# Altium PCB SEEED ORDER 100mm x 150mm.PcbDoc (part 2 of 3)
Units mil, origin at the board's own origin, x right, y up, seen from the top; angles counter-clockwise.
Board outline 5905.51 x 3937.01 mil, 2 copper layers (Top Layer, Bottom Layer); 155 components, 122 nets, 624 pads, 161 vias.
Unrouted connection lines stored in the file: 6.
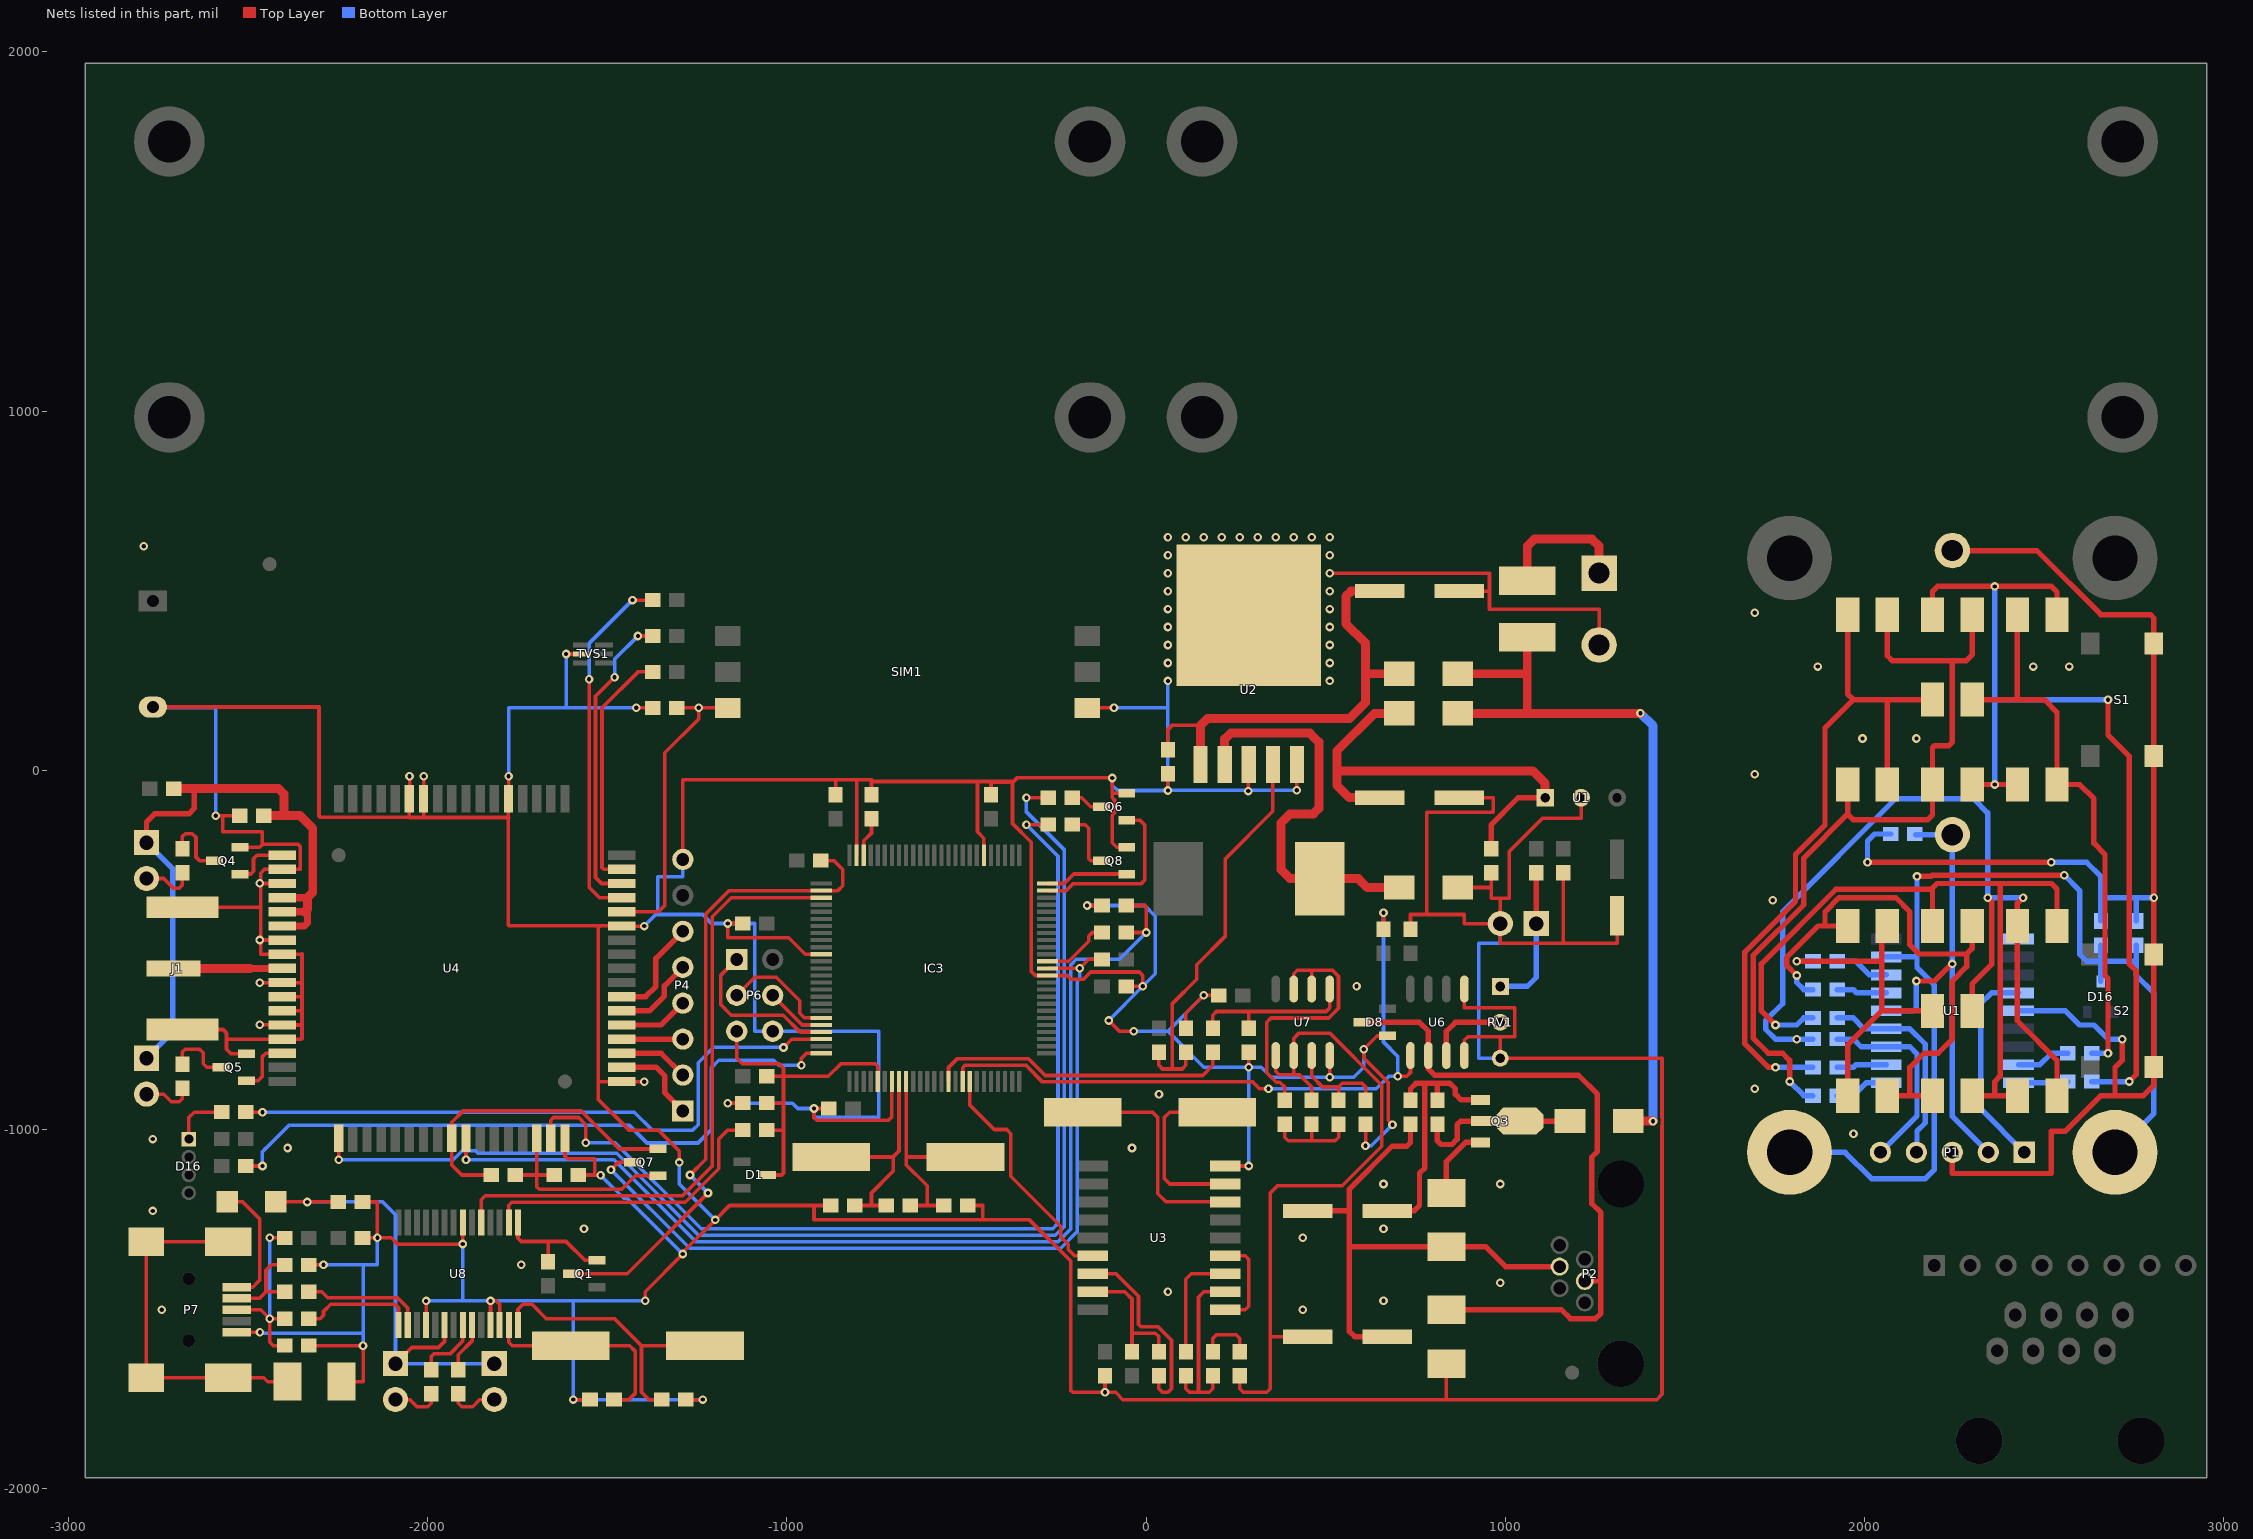
[diagram p2: the nets of this part, all layers, seen from the top]

## Via types
v1: diameter 24, hole 12, Top Layer to Bottom Layer, 161 vias

## Nets (pads, with @x,y where several pads share a name; then routed paths per layer and width w, separated by ;. In a path a pad name is that pad's centre, name@x,y a point inside that pad or via, vN(x,y) a via of type N, cw(c..) or ccw(c..) an arc to the next point about the centre after c; other vN are vias at no path point) (continued)
GND: BT1.2 C1.1@2072.84,-177.17 C1.2@961.02,-284.65 C2.2 C3.2 C5.2 C6.2 C8.2 C10.2 C11.2 C17.2 C21.2 C23.2 C24.2 C25.2 C26.2 C27.1 C29.2 C30.2 C31.2 C32.2 C33.2 C34.2 C35.2 C36.2 C37.2 C38.2 C39.2 C40.2 D4.1@867.02,-326.18 D8.1@671.46,-738.58 D15.2 D19.1 D20.1 IC3.11 IC3.32 IC3.62 IC3.81 IC3.99 J1.2 L3.2 P1.2@1261.02,348.82 P1.3 P4.8 P6.6 P7.5 Q4.2 Q5.2 Q6.2 Q8.2 R11.1 R17.1 R25.1 R38.2 R41.1 RV1.3 S1.1 S2.1 SIM1.C5 TVS1.2 U1.2@1211.02,-76.18 U1.5 U2.3 U2.5 U2.6 U3.9 U4.17 U4.18 U4.29 U4.39 U4.45 U4.46 U4.53 U4.54 U4.58 U4.59 U4.61 U4.62 U4.63 U4.64 U4.65 U6.4 U6.5 U7.4 U8.7 U8.18 U8.25 U8.26 | length 34697
  Top Layer w10: C11.2@-2763.98,176.18 -2301.61,176.18 -2301.61,-127.48 -2298.88,-130.22 -2049.94,-130.22 ; J1.2@-2681.83,-721.18 -2568.98,-721.18 -2558.98,-731.18 -2558.98,-776.18 -2546.38,-788.78 Q5.2@-2503.54,-788.78 ; J1.2@-2681.83,-381.18 -2468.98,-381.18 ; v1(-2588.98,-126.18) -2568.98,-126.18 ; -2557.13,-748.03 U4.65@-2404.27,-748.03 -2350.83,-748.03 -2348.98,-746.18 -2348.98,-626.18 ; P7.5@-2530.12,-1564.17 v1(-2465.98,-1564.17) ; C17.2@-2522.44,-126.18 -2568.98,-126.18 ; Q4.2@-2521.4,-213.78 -2466.57,-213.78 -2458.98,-206.18 ; v1(-2466.83,-708.3) U4.64@-2404.64,-708.3 ; v1(-2466.83,-472.08) v1@-2463.98,-472.08 ; v1(-2466.83,-314.6) v1@-2463.98,-314.6 ; v1(-2466.2,-590.82) -2404.27,-590.82 U4.61@-2404.01,-590.82 ; U4.58@-2404.64,-472.08 v1@-2463.08,-472.08 ; U4.54@-2404.64,-314.6 v1@-2463.98,-314.6 ; U4.64@-2404.27,-708.66 -2351.46,-708.66 ; U4.63@-2404.27,-669.29 -2350.87,-669.29 ; U4.62@-2404.27,-629.92 -2352.72,-629.92 -2348.98,-626.18 ; U4.61@-2404.27,-590.55 U4.61@-2404.01,-590.82 ; U4.58@-2404.27,-472.44 -2462.72,-472.44 v1@-2463.08,-472.08 ; U4.54@-2404.27,-314.96 -2462.76,-314.96 v1@-2463.98,-316.18 ; D20.1@-2330.51,-1601.18 v1(-2178.98,-1601.18) -2178.98,-1701.18 L3.2@-2238.97,-1701.17 ; D19.1@-2330.51,-1376.18 v1(-2288.98,-1376.18) ; C36.2@-2180.51,-1301.18 v1(-2138.98,-1301.18) ; C35.2@-2180.51,-1201.18 -2138.98,-1201.18 v1(-2138.98,-1301.18) ; U4.46@-2049.94,-78.74 -2049.94,-130.22 ; U4.46@-2049.58,-78.38 v1(-2049.58,-16.18) ; U4.45@-2010.57,-78.74 -2010.57,-129.59 -2008.98,-131.18 ; U4.45@-2010.21,-78.38 v1(-2010.21,-16.18) ; U8.18@-2003.54,-1543.9 v1(-2003.54,-1476.62) ; U8.7@-1901.18,-1258.46 -1901.18,-1317.8 v1(-1901.77,-1318.39) -2083.27,-1318.39 -2100.47,-1301.18 v1(-2138.98,-1301.18) ; U8.25@-1824.41,-1543.9 v1(-1824.41,-1476.62) -1808.54,-1476.62 -1798.82,-1486.34 U8.26@-1798.82,-1543.9 ; U4.39@-1774.34,-78.74 -1774.34,-130.82 ; U4.39@-1773.98,-78.38 v1(-1773.98,-16.18) ; U4.17@-1616.86,-1023.63 -1616.86,-1073.3 -1608.98,-1081.18 -1533.98,-1081.18 -1533.98,-1126.18 C25.2@-1580.51,-1126.18 ; v1(-1613.98,323.82) TVS1.2@-1569.49,323.82 ; v1(-1593.98,-1751.18) C40.2@-1547.44,-1751.18 ; C25.2@-1580.15,-1126.55 v1(-1517.95,-1126.55) ; U4.18@-1459.38,-866.14 -1523.94,-866.14 -1523.98,-866.18 ; U4.29@-1459.38,-433.07 -1518.98,-433.07 ; U4.18@-1459.02,-866.51 v1(-1396.82,-866.51) ; U4.29@-1459.02,-433.44 v1(-1396.82,-433.44) ; v1(-1418.98,173.82) C6.2@-1372.44,173.82 ; v1(-1393.98,-1476.18) -1393.98,-1450.83 v1(-1289.33,-1346.18) -1289.33,-1341.54 v1(-1198.98,-1251.18) -1158.98,-1211.18 -923.98,-1211.18 ; v1(-1298.98,-1091.18) -1298.98,-1059.53 -1357.32,-1001.18 -1438.98,-1001.18 -1523.98,-916.18 -1523.98,-866.18 ; P4.8@-1288.98,-248.03 -1288.98,-26.18 -863.98,-26.18 ; C39.2@-1280.51,-1751.18 v1(-1233.98,-1751.18) ; v1(-1163.98,-926.18) C27.1@-1122.44,-926.18 ; C32.2@-1122.44,-426.18 v1(-1163.98,-426.18) -1163.98,-466.18 -993.98,-466.18 -948.35,-511.81 IC3.11@-903.94,-511.81 ; C31.2@-882.44,-941.18 v1(-923.98,-941.18) -923.98,-966.18 -916.29,-973.87 -716.66,-973.87 -707.09,-964.29 IC3.32@-707.09,-866.14 ; C38.2@-877.44,-1211.18 -923.98,-1211.18 ; C30.2@-863.98,-56.18 -863.98,-26.18 ; IC3.99@-805.51,-236.22 -805.51,-26.18 ; C29.2@-763.98,-67.72 -763.98,-26.18 ; C37.2@-495.51,-1211.18 -453.98,-1211.18 -453.98,-1251.18 ; IC3.81@-451.18,-236.22 -451.18,-188.98 -468.98,-171.18 -468.98,-31.18 ; C34.2@-431.5,-67.72 -431.5,-33.66 -371.46,-33.66 ; v1(-163.98,-376.18) R38.2@-122.44,-376.18 ; SIM1.C5@-163.98,173.82 v1(-88.98,173.82) ; C8.2@-113.98,-1684.65 v1(-113.98,-1731.18) ; v1(-103.98,-696.18) -73.98,-726.18 v1(-33.98,-726.18) ; C33.2@-55.51,-601.18 v1(-8.98,-601.18) -8.98,-571.18 -18.98,-561.18 -153.98,-561.18 -173.98,-581.18 -208.52,-581.18 -218.84,-570.86 IC3.62@-274.01,-570.86 -308.14,-570.86 -318.98,-560.03 -318.98,-200.37 -371.46,-147.89 -371.46,-33.66 ; Q8.2@-53.54,-213.78 -81.38,-213.78 -93.98,-201.18 -93.98,-124.57 -87.79,-118.38 -87.79,-82.37 -93.98,-76.18 -93.98,-66.18 ; Q6.2@-53.54,-63.78 -91.57,-63.78 -93.98,-66.18 ; v1(61.02,-56.18) C10.2@61.02,-9.65 ; R25.1@111.02,-717.72 111.02,-676.18 v1(161.02,-626.18) C24.2@202.56,-626.18 ; U3.9@220.08,-1101.18 v1(286.02,-1101.18) ; v1(284.88,-57.72) U2.3@284.88,13.46 ; v1(286.02,-826.18) R41.1@286.02,-784.65 ; v1(419.88,-55.04) U2.5@419.88,16.14 ; v1(511.02,-854.07) U7.4@511.02,-793.7 ; v1(511.02,548.82) 956.02,548.82 956.02,498.82 ; v1(611.02,-1045.02) C23.2@611.02,-984.65 ; D8.1@671.46,-738.58 643.62,-738.58 v1(606.02,-776.18) 606.02,-800.73 674.02,-868.73 674.02,-974.18 v1(686.02,-986.18) ; C21.2@736.02,-442.72 736.02,-401.18 781.02,-401.18 ; R17.1@836.02,-1651.18 836.02,-1751.18 835.95,-1751.25 ; D4.1@867.02,-326.18 961.02,-326.18 ; C2.2@871.26,-76.18 966.02,-76.18 966.02,-116.18 781.02,-116.18 781.02,-401.18 ; C3.2@871.26,498.82 956.02,498.82 ; U6.4@886.02,-793.7 886.02,-751.18 896.02,-741.18 986.02,-741.18 ; U6.5@886.02,-608.66 886.02,-661.18 1026.02,-661.18 1026.02,-741.18 986.02,-741.18 ; C1.2@961.02,-284.65 961.02,-326.18 ; C5.2@1161.02,-284.65 1161.02,-476.18 1166.02,-481.18 ; U1.2@1211.02,-76.18 1211.02,-133.18 1103.57,-133.18 1011.02,-225.73 1011.02,-356.18 986.02,-356.18 ; P1.2@1261.02,348.82 1261.02,448.82 956.02,448.82 956.02,498.82 ; C26.2@1311.02,-404.92 1311.02,-481.18 1166.02,-481.18 ; -2568.98,-126.18 -2568.98,-171.18 -2458.98,-171.18 -2458.98,-206.18 ; v1@-2463.98,-472.08 v1@-2463.98,-471.18 ; v1@-2463.98,-472.08 -2463.98,-511.18 -2463.35,-511.81 U4.59@-2404.27,-511.81 -2349.61,-511.81 -2348.98,-511.18 -2348.98,-591.18 ; v1@-2463.98,-472.08 v1@-2463.08,-472.08 ; v1@-2463.98,-471.18 v1@-2463.98,-316.18 ; v1@-2463.98,-471.18 v1@-2463.08,-472.08 ; v1@-2463.98,-316.18 v1@-2463.98,-314.6 ; v1@-2463.98,-314.6 -2463.98,-286.18 -2453.39,-275.59 U4.53@-2404.27,-275.59 -2353.39,-275.59 -2353.27,-275.48 -2353.27,-212.39 -2359.48,-206.18 -2458.98,-206.18 ; U4.61@-2404.01,-590.82 -2403.64,-591.18 -2348.98,-591.18 ; -2348.98,-626.18 -2348.98,-591.18 ; -2049.94,-130.22 -2048.98,-131.18 -2008.98,-131.18 ; -2008.98,-131.18 -1774.34,-131.18 ; -1774.34,-131.18 -1774.34,-430.82 -1772.09,-433.07 -1518.98,-433.07 ; -1774.34,-131.18 -1774.34,-130.82 ; -1774.34,-131.18 -1773.98,-131.18 -1774.34,-130.82 ; -1523.98,-866.18 -1523.98,-438.07 -1518.98,-433.07 ; -923.98,-1211.18 -923.98,-1251.18 -453.98,-1251.18 ; -863.98,-26.18 -805.51,-26.18 ; -805.51,-26.18 -763.98,-26.18 ; -763.98,-26.18 -758.98,-31.18 -468.98,-31.18 ; -468.98,-31.18 -368.98,-31.18 ; -453.98,-1251.18 -324.34,-1251.18 -208.98,-1366.55 -208.98,-1726.18 -203.98,-1731.18 v1(-113.98,-1731.18) ; -371.46,-33.66 -368.98,-31.18 ; -368.98,-31.18 -358.98,-21.18 v1(-93.98,-21.18) -93.98,-66.18 ; v1(-113.98,-1731.18) -84.43,-1731.18 -64.36,-1751.25 835.95,-1751.25 ; 781.02,-401.18 886.02,-401.18 886.02,-426.18 886.31,-426.47 D15.2@986.08,-426.47 ; 835.95,-1751.25 1421.02,-1751.25 1436.02,-1736.25 1436.02,-987.74 1436.52,-987.24 1436.52,-965.62 1436.02,-965.12 1436.02,-801.18 RV1.3@986.02,-801.18 986.02,-741.18 ; 961.02,-326.18 961.02,-356.18 986.02,-356.18 ; 986.02,-356.18 986.02,-426.41 D15.2@986.08,-426.47 ; D15.2@986.08,-426.47 986.02,-426.53 986.02,-481.18 1166.02,-481.18
  Top Layer w15: v1(2007.87,-255.91) v1(2519.69,-255.91) ; P1.3@2244.09,-1062.99 2244.09,-1122.05 2519.69,-1122.05 2519.69,-1003.94 2559.06,-1003.94 2657.48,-905.51 2696.85,-905.51 ; BT1.2@2244.09,611.61 2478.94,611.61 2657.48,433.07 2795.28,433.07 2805.12,423.23 S1.1@2805.12,353.35 S1.1@2805.12,40.35 v1(2805.12,-354.33) S2.1@2805.12,-512.8 S2.1@2805.12,-825.79 2805.12,-875.99 2775.59,-905.51 2696.85,-905.51 ; v1(2716.54,-748.03) 2716.54,-807.09 2696.85,-826.77 2696.85,-905.51
  Bottom Layer w10: C11.2@-2758.98,173.82 -2588.98,173.82 v1(-2588.98,-126.18) ; v1(-2465.98,-1564.17) -2463.98,-1566.18 -2178.98,-1566.18 ; v1(-2288.98,-1376.18) -2178.98,-1376.18 ; v1(-2178.98,-1601.18) -2178.98,-1566.18 ; v1(-2138.98,-1301.18) -2138.98,-1376.18 -2178.98,-1376.18 ; v1(-2003.54,-1476.62) v1(-1824.41,-1476.62) -1594.41,-1476.62 ; -1901.77,-1473.82 v1(-1901.77,-1318.39) ; v1(-1773.98,-16.18) -1773.98,173.82 -1613.98,173.82 ; v1(-1613.98,323.82) -1613.98,173.82 ; v1(-1517.95,-1126.55) -1453.32,-1191.18 -1444.33,-1191.18 v1(-1289.33,-1346.18) ; v1(-1418.98,173.82) -1613.98,173.82 ; v1(-1396.82,-433.44) -1364.57,-401.18 ; v1(-1393.98,-1476.18) -1593.98,-1476.18 -1594.41,-1476.62 ; v1(-1298.98,-1091.18) -1298.98,-1151.18 v1(-1198.98,-1251.18) ; P4.8@-1288.98,-248.03 -1288.98,-296.18 -1358.98,-296.18 -1358.98,-395.59 -1364.57,-401.18 ; v1(-1233.98,-1751.18) v1(-1593.98,-1751.18) -1593.98,-1477.05 -1594.41,-1476.62 ; v1(-1163.98,-926.18) -983.98,-926.18 -968.98,-941.18 v1(-923.98,-941.18) -923.98,-966.18 -743.98,-966.18 -743.98,-726.18 P6.6@-1038.98,-726.18 -1088.98,-726.18 -1088.98,-426.18 v1(-1163.98,-426.18) -1208.98,-426.18 -1233.98,-401.18 -1364.57,-401.18 ; v1(-163.98,-376.18) -3.98,-376.18 26.02,-406.18 26.02,-566.18 v1(-8.98,-601.18) v1(-103.98,-696.18) ; v1(-93.98,-21.18) -93.98,-41.18 -78.98,-56.18 v1(61.02,-56.18) 61.02,173.82 ; v1(-88.98,173.82) 61.02,173.82 ; v1(-33.98,-726.18) 61.02,-726.18 ; v1(61.02,248.82) 61.02,173.82 ; v1@62.17,-55.04 v1(419.88,-55.04) ; v1(161.02,-626.18) 61.02,-726.18 ; v1(284.88,-57.72) v1@286.02,-58.86 ; v1(286.02,-1101.18) v1(286.02,-826.18) ; v1(606.02,-776.18) 606.02,-826.18 578.13,-854.07 v1(511.02,-854.07) 348.92,-854.07 321.02,-826.18 v1(286.02,-826.18) ; v1(611.02,-1045.02) 627.19,-1045.02 v1(686.02,-986.18) ; RV1.3@986.02,-801.18 926.02,-801.18 926.02,-481.18 986.02,-481.18 986.08,-481.12 D15.2@986.08,-426.47 ; -2178.98,-1566.18 -2178.98,-1376.18 ; 61.02,-726.18 161.02,-826.18 v1(286.02,-826.18)
  Bottom Layer w15: v1(2007.87,-255.91) 2007.87,-196.85 2027.56,-177.17 C1.1@2072.84,-177.17 ; U1.5@2428.15,-669.29 2559.06,-669.29 2598.43,-708.66 2637.8,-708.66 2677.17,-748.03 v1(2716.54,-748.03) ; v1(2519.69,-255.91) 2618.11,-255.91 2657.48,-295.28 2657.48,-354.33 ; C2.2@2657.48,-419.29 2657.48,-354.33 ; R11.1@2755.91,-419.29 2755.91,-354.33 ; v1(2805.12,-354.33) 2755.91,-354.33 ; 2657.48,-354.33 2755.91,-354.33
  other v1: -2738.98,-1501.18 436.02,-1501.18 661.02,-1476.18 61.02,-1451.18 986.02,-1426.18 -1738.98,-1376.18 436.02,-1301.18 -1563.98,-1276.18 661.02,-1276.18 -2763.98,-1226.18 661.02,-1151.18 986.02,-1151.18 -2388.98,-1051.18 -38.98,-1051.18 -2763.98,-1026.18 1969.09,-1011.22 36.02,-901.18 1694.09,-886.22 586.02,-601.18 1744.09,-361.22 1694.09,-11.22 1994.09,88.78 2144.09,88.78 511.02,248.82 1869.09,288.78 2469.09,288.78 2569.09,288.78 61.02,298.82 511.02,298.82 61.02,348.82 511.02,348.82 61.02,398.82 511.02,398.82 1694.09,438.78 61.02,448.82 511.02,448.82 61.02,498.82 511.02,498.82 61.02,548.82 61.02,598.82 511.02,598.82 -2788.98,623.82 61.02,648.82 111.02,648.82 161.02,648.82 211.02,648.82 261.02,648.82 311.02,648.82 361.02,648.82 411.02,648.82 461.02,648.82 511.02,648.82
GREEN: IC3.25 R12.1 | length 1920.6
  Top Layer w10: R12.1@-2505.51,-1101.18 v1(-2458.98,-1101.18) ; v1(-958.98,-821.18) -958.98,-801.54 -944.84,-787.4 IC3.25@-903.94,-787.4
  Bottom Layer w10: v1(-2458.98,-1101.18) -2458.98,-1061.18 -2448.98,-1051.18 -2448.62,-1051.18 -2384.62,-987.18 -1438.89,-987.18 -1388.89,-1037.18 -1246.56,-1037.18 -1210.45,-1001.07 -1210.45,-828.57 -1189.06,-807.18 -1036.43,-807.18 -1022.43,-821.18 v1(-958.98,-821.18)
ICSP_VPP: P1.1@2444.09,-1062.99 U1.4 | length 581.5
  Bottom Layer w15: U1.4@2428.15,-619.29 2353.15,-619.29 2322.83,-649.61 2322.83,-941.73 P1.1@2444.09,-1062.99
LED_0: R1.1@2564.96,-787.4 U1.8 | length 150
  Bottom Layer w15: U1.8@2428.15,-819.29 2487.8,-819.29 2519.69,-787.4 R1.1@2564.96,-787.4
LED_1: R2.1 U1.9 | length 138.1
  Bottom Layer w15: U1.9@2428.15,-869.29 2516.54,-869.29 2519.69,-866.14 R2.1@2564.96,-866.14
LED_2: R3.1@1923.23,-905.51 U1.10 | length 151.8
  Bottom Layer w15: R3.1@1923.23,-905.51 1968.5,-905.51 2004.72,-869.29 U1.10@2060.04,-869.29
LED_3: R4.1@1923.23,-826.77 U1.11 | length 139.9
  Bottom Layer w15: R4.1@1923.23,-826.77 1968.5,-826.77 1975.98,-819.29 U1.11@2060.04,-819.29
LED_4: P1.5 R5.1@1923.23,-748.03 U1.12 | length 555.5
  Bottom Layer w15: R5.1@1923.23,-748.03 1968.5,-748.03 1989.76,-769.29 U1.12@2060.04,-769.29 2125.98,-769.29 2145.67,-788.98 2145.67,-961.42 P1.5@2044.09,-1062.99
LED_5: P1.4 R6.1@1923.23,-688.98 U1.13 | length 586.9
  Bottom Layer w15: R6.1@1923.23,-688.98 1968.5,-688.98 1998.82,-719.29 U1.13@2060.04,-719.29 2125.98,-719.29 2168.67,-761.98 2168.67,-980.94 2145.67,-1003.94 2145.67,-1061.42 P1.4@2144.09,-1062.99
LINE: C4.2 C7.2 C22.2 U7.1 U7.2 | length 1917.3
  Top Layer w10: C7.2@261.02,-1684.65 261.02,-1721.18 271.02,-1731.18 336.02,-1731.18 346.02,-1721.18 346.02,-1576.18 ; U7.1@361.02,-801.18 361.02,-837.72 371.02,-847.72 411.02,-847.72 ; C4.2@450.79,-1576.18 346.02,-1576.18 ; C22.2@461.02,-917.72 461.02,-881.18 427.56,-847.72 411.02,-847.72 ; 346.02,-1576.18 346.02,-1176.18 366.02,-1156.18 546.02,-1156.18 656.02,-1046.18 656.02,-876.18 511.02,-731.18 426.02,-731.18 411.02,-746.18 U7.2@411.02,-793.7 411.02,-847.72
LINE_L: P4.6 U4.24 | length 291.5
  Top Layer w15: U4.24@-1459.38,-629.92 -1392.72,-629.92 -1363.98,-601.18 -1363.98,-523.03 P4.6@-1288.98,-448.03
LINE_R: P4.5 U4.23 | length 237.1
  Top Layer w15: U4.23@-1459.38,-669.29 -1382.09,-669.29 -1340.55,-627.76 -1340.55,-599.61 P4.5@-1288.98,-548.03
MIC_N: P4.2 U4.20 | length 195.5
  Top Layer w15: U4.20@-1459.38,-787.4 -1349.61,-787.4 P4.2@-1288.98,-848.03
MIC_P: P4.1 U4.19 | length 248.6
  Top Layer w15: U4.19@-1459.38,-826.77 -1388.39,-826.77 -1387.8,-826.18 -1363.98,-826.18 -1338.98,-851.18 -1338.98,-898.03 P4.1@-1288.98,-948.03
MISO: IC3.22 P6.1 | length 455.6
  Top Layer w10: P6.1@-1138.98,-526.18 -1183.98,-571.18 -1183.98,-651.18 -1153.98,-681.18 -1009.89,-681.18 -962.73,-728.34 IC3.22@-903.94,-728.34
MOSI: IC3.21 P6.4 | length 169.5
  Top Layer w10: P6.4@-1038.98,-626.18 -1038.98,-626.64 -956.95,-708.66 IC3.21@-903.94,-708.66
NetC2_1: C2.1@2657.48,-486.22 D16.3@2657.48,-587.6 pad.0@1791.34,-1062.99 pad.0@2696.85,-1062.99 R11.2 U1.17 | length 2923.1
  Top Layer w15: v1(2145.67,-295.28) 2185.04,-295.28 2188.35,-291.96 v1(2555.74,-291.96)
  Bottom Layer w15: pad.0@1791.34,-1062.99 1945.87,-1062.99 2019.09,-1136.22 2169.09,-1136.22 2194.09,-1111.22 2194.09,-597.33 2145.67,-548.9 2145.67,-519.29 ; U1.17@2060.04,-519.29 2145.67,-519.29 ; v1(2145.67,-295.28) 2145.67,-519.29 ; v1(2555.74,-291.96) 2598.43,-334.65 2598.43,-511.81 2618.11,-531.5 2657.48,-531.5 ; D16.3@2657.48,-587.6 2657.48,-531.5 ; C2.1@2657.48,-486.22 2657.48,-531.5 ; pad.0@2696.85,-1062.99 2805.12,-954.72 2805.12,-620.08 2755.91,-570.87 2755.91,-531.5 ; R11.2@2755.91,-486.22 2755.91,-531.5 ; 2657.48,-531.5 2755.91,-531.5
NetC7_1: C7.1 R7.1@186.02,-1617.72 | length 156.4
  Top Layer w10: R7.1@186.02,-1617.72 186.02,-1581.18 196.02,-1571.18 251.02,-1571.18 261.02,-1581.18 C7.1@261.02,-1617.72
NetC9_2: C9.2 R9.2 U3.17 | length 384.6
  Top Layer w10: U3.17@-148.03,-1451.18 -58.98,-1451.18 -38.98,-1471.18 -38.98,-1566.18 ; C9.2@-38.98,-1617.72 -38.98,-1566.18 ; R9.2@36.02,-1617.72 36.02,-1576.18 26.02,-1566.18 -38.98,-1566.18
NetC16_1: C16.1 Q3.3 R15.1 R19.2 | length 749.7
  Top Layer w15: C16.1@671.26,-1226.18 746.02,-1226.18 761.02,-1211.18 761.02,-1121.18 775.84,-1106.37 775.84,-871.37 776.02,-871.18 ; R19.2@736.02,-917.72 736.02,-886.18 751.02,-871.18 776.02,-871.18 ; R15.1@811.02,-917.72 811.02,-871.18 ; Q3.3@931.4,-917.13 876.97,-917.13 861.02,-901.18 861.02,-886.18 846.02,-871.18 811.02,-871.18 ; 776.02,-871.18 811.02,-871.18
NetC22_1: C22.1 R30.1 R31.2 | length 277.9
  Top Layer w10: R31.2@386.02,-984.65 386.02,-1021.18 396.02,-1031.18 461.02,-1031.18 ; C22.1@461.02,-984.65 461.02,-1031.18 ; R30.1@536.02,-984.65 536.02,-1021.18 526.02,-1031.18 461.02,-1031.18
NetC23_1: C23.1 R30.2 U7.3 | length 301.3
  Top Layer w10: U7.3@461.02,-793.7 461.02,-851.18 491.02,-881.18 536.02,-881.18 ; R30.2@536.02,-917.72 536.02,-881.18 ; C23.1@611.02,-917.72 611.02,-881.18 601.02,-871.18 546.02,-871.18 536.02,-881.18
NetC28_1: C28.1 U8.2 | length 833.8
  Top Layer w10: U8.2@-1773.23,-1258.46 -1773.23,-1210.43 -1764.98,-1202.18 -1282.52,-1202.18 -1188.98,-1108.64 -1188.98,-1026.18 -1163.98,-1001.18 C28.1@-1122.44,-1001.18
NetC29_1: C29.1 IC3.98 | length 110.6
  Top Layer w10: IC3.98@-785.83,-236.22 -785.83,-196.18 -763.98,-174.33 C29.1@-763.98,-134.65
NetC39_1: C39.1 U8.28 Y4.2 | length 812.8
  Top Layer w10: U8.28@-1747.64,-1543.9 -1747.64,-1499.84 -1733.98,-1486.18 -1708.98,-1486.18 -1668.98,-1526.18 -1478.98,-1526.18 -1403.98,-1601.18 ; C39.1@-1347.44,-1751.18 -1383.98,-1751.18 -1403.98,-1731.18 -1403.98,-1601.18 ; Y4.2@-1226.97,-1601.18 -1403.98,-1601.18
NetC40_1: C40.1 U8.27 Y4.1 | length 592.9
  Top Layer w10: U8.27@-1773.23,-1543.9 -1773.23,-1591.93 -1763.98,-1601.18 Y4.1@-1600.98,-1601.18 -1436.98,-1601.18 -1421.98,-1616.18 -1421.98,-1734.18 -1438.98,-1751.18 C40.1@-1480.51,-1751.18
NetD1_1: D1.1@2425.2,-39.37 D2.2@2535.43,433.07 D4.2@2299.21,-39.37 D5.1@2188.98,433.07 R2.2 | length 2686.9
  Top Layer w15: D5.1@2188.98,433.07 2188.98,498.03 2202.76,511.81 v1(2362.2,511.81) 2519.69,511.81 2535.43,496.06 D2.2@2535.43,433.07 ; D4.2@2299.21,-39.37 v1(2362.2,-39.37) D1.1@2425.2,-39.37 ; v1(2677.17,196.85) 2677.17,98.42 2736.22,39.37 2736.22,-538.34 2755.91,-558.02 2755.91,-846.46 v1(2736.22,-866.14)
  Bottom Layer w15: v1(2362.2,-39.37) 2362.2,196.85 ; v1(2362.2,511.81) 2362.2,196.85 ; R2.2@2631.89,-866.14 v1(2736.22,-866.14) ; v1(2677.17,196.85) 2362.2,196.85
NetD1_2: D1.2@2535.43,-39.37 D2.1@2425.2,433.07 D3.2@2299.21,196.85 R1.2@2631.89,-787.4 | length 1576.8
  Top Layer w15: D3.2@2299.21,196.85 2425.2,196.85 ; D2.1@2425.2,433.07 2425.2,196.85 ; v1(2677.17,-787.4) 2677.17,-578.99 2669.04,-570.87 2669.04,-234.01 2637.8,-202.76 2637.8,-78.74 2598.43,-39.37 D1.2@2535.43,-39.37 2535.43,161.42 2500,196.85 2425.2,196.85
  Bottom Layer w15: R1.2@2631.89,-787.4 v1(2677.17,-787.4)
NetD3_1: D3.1@2188.98,196.85 D6.1 D7.2@2062.99,-39.37 R4.2@1856.3,-826.77 | length 1995.4
  Top Layer w15: v1(1751.97,-826.77) 1732.28,-826.77 1666.6,-761.09 1666.6,-505.6 1807.71,-364.49 1807.71,-234.57 1889.76,-152.51 1889.76,118.11 1968.5,196.85 ; D6.1@1952.76,433.07 1952.76,212.6 1968.5,196.85 ; D7.2@2062.99,-39.37 2062.99,192.91 ; D3.1@2188.98,196.85 1968.5,196.85
  Bottom Layer w15: v1(1751.97,-826.77) R4.2@1856.3,-826.77
NetD4_1: D4.1@2188.98,-39.37 D5.2@2299.21,433.07 D6.2 D7.1@1952.76,-39.37 R3.2@1856.3,-905.51 | length 2280.6
  Top Layer w15: v1(1791.34,-866.14) 1791.34,-807.09 1771.65,-787.4 1732.28,-787.4 1689.6,-744.72 1689.6,-515.13 1830.71,-374.02 1830.71,-244.1 1952.76,-122.05 ; D7.1@1952.76,-39.37 1952.76,-122.05 ; D6.2@2062.99,433.07 2062.99,318.9 2076.77,305.12 2244.09,305.12 ; D5.2@2299.21,433.07 2299.21,320.87 2283.46,305.12 2244.09,305.12 ; 1952.76,-122.05 1968.5,-137.8 2175.2,-137.8 2188.98,-124.02 D4.1@2188.98,-39.37 2188.98,62.99 2194.88,68.9 2234.25,68.9 2244.09,78.74 2244.09,305.12